# Altium PCB SAMR21_Xplained_Pro.PcbDoc (part 3 of 3)
Units mm, origin at the board's own origin, x right, y up, seen from the top; angles counter-clockwise.
Board outline 60 x 60 mm, 4 copper layers (Top Layer LF-signals, GND, POWER, Bottom Layer LF-signals), stack 1.602 mm thick; 154 components, 128 nets, 621 pads, 397 vias.
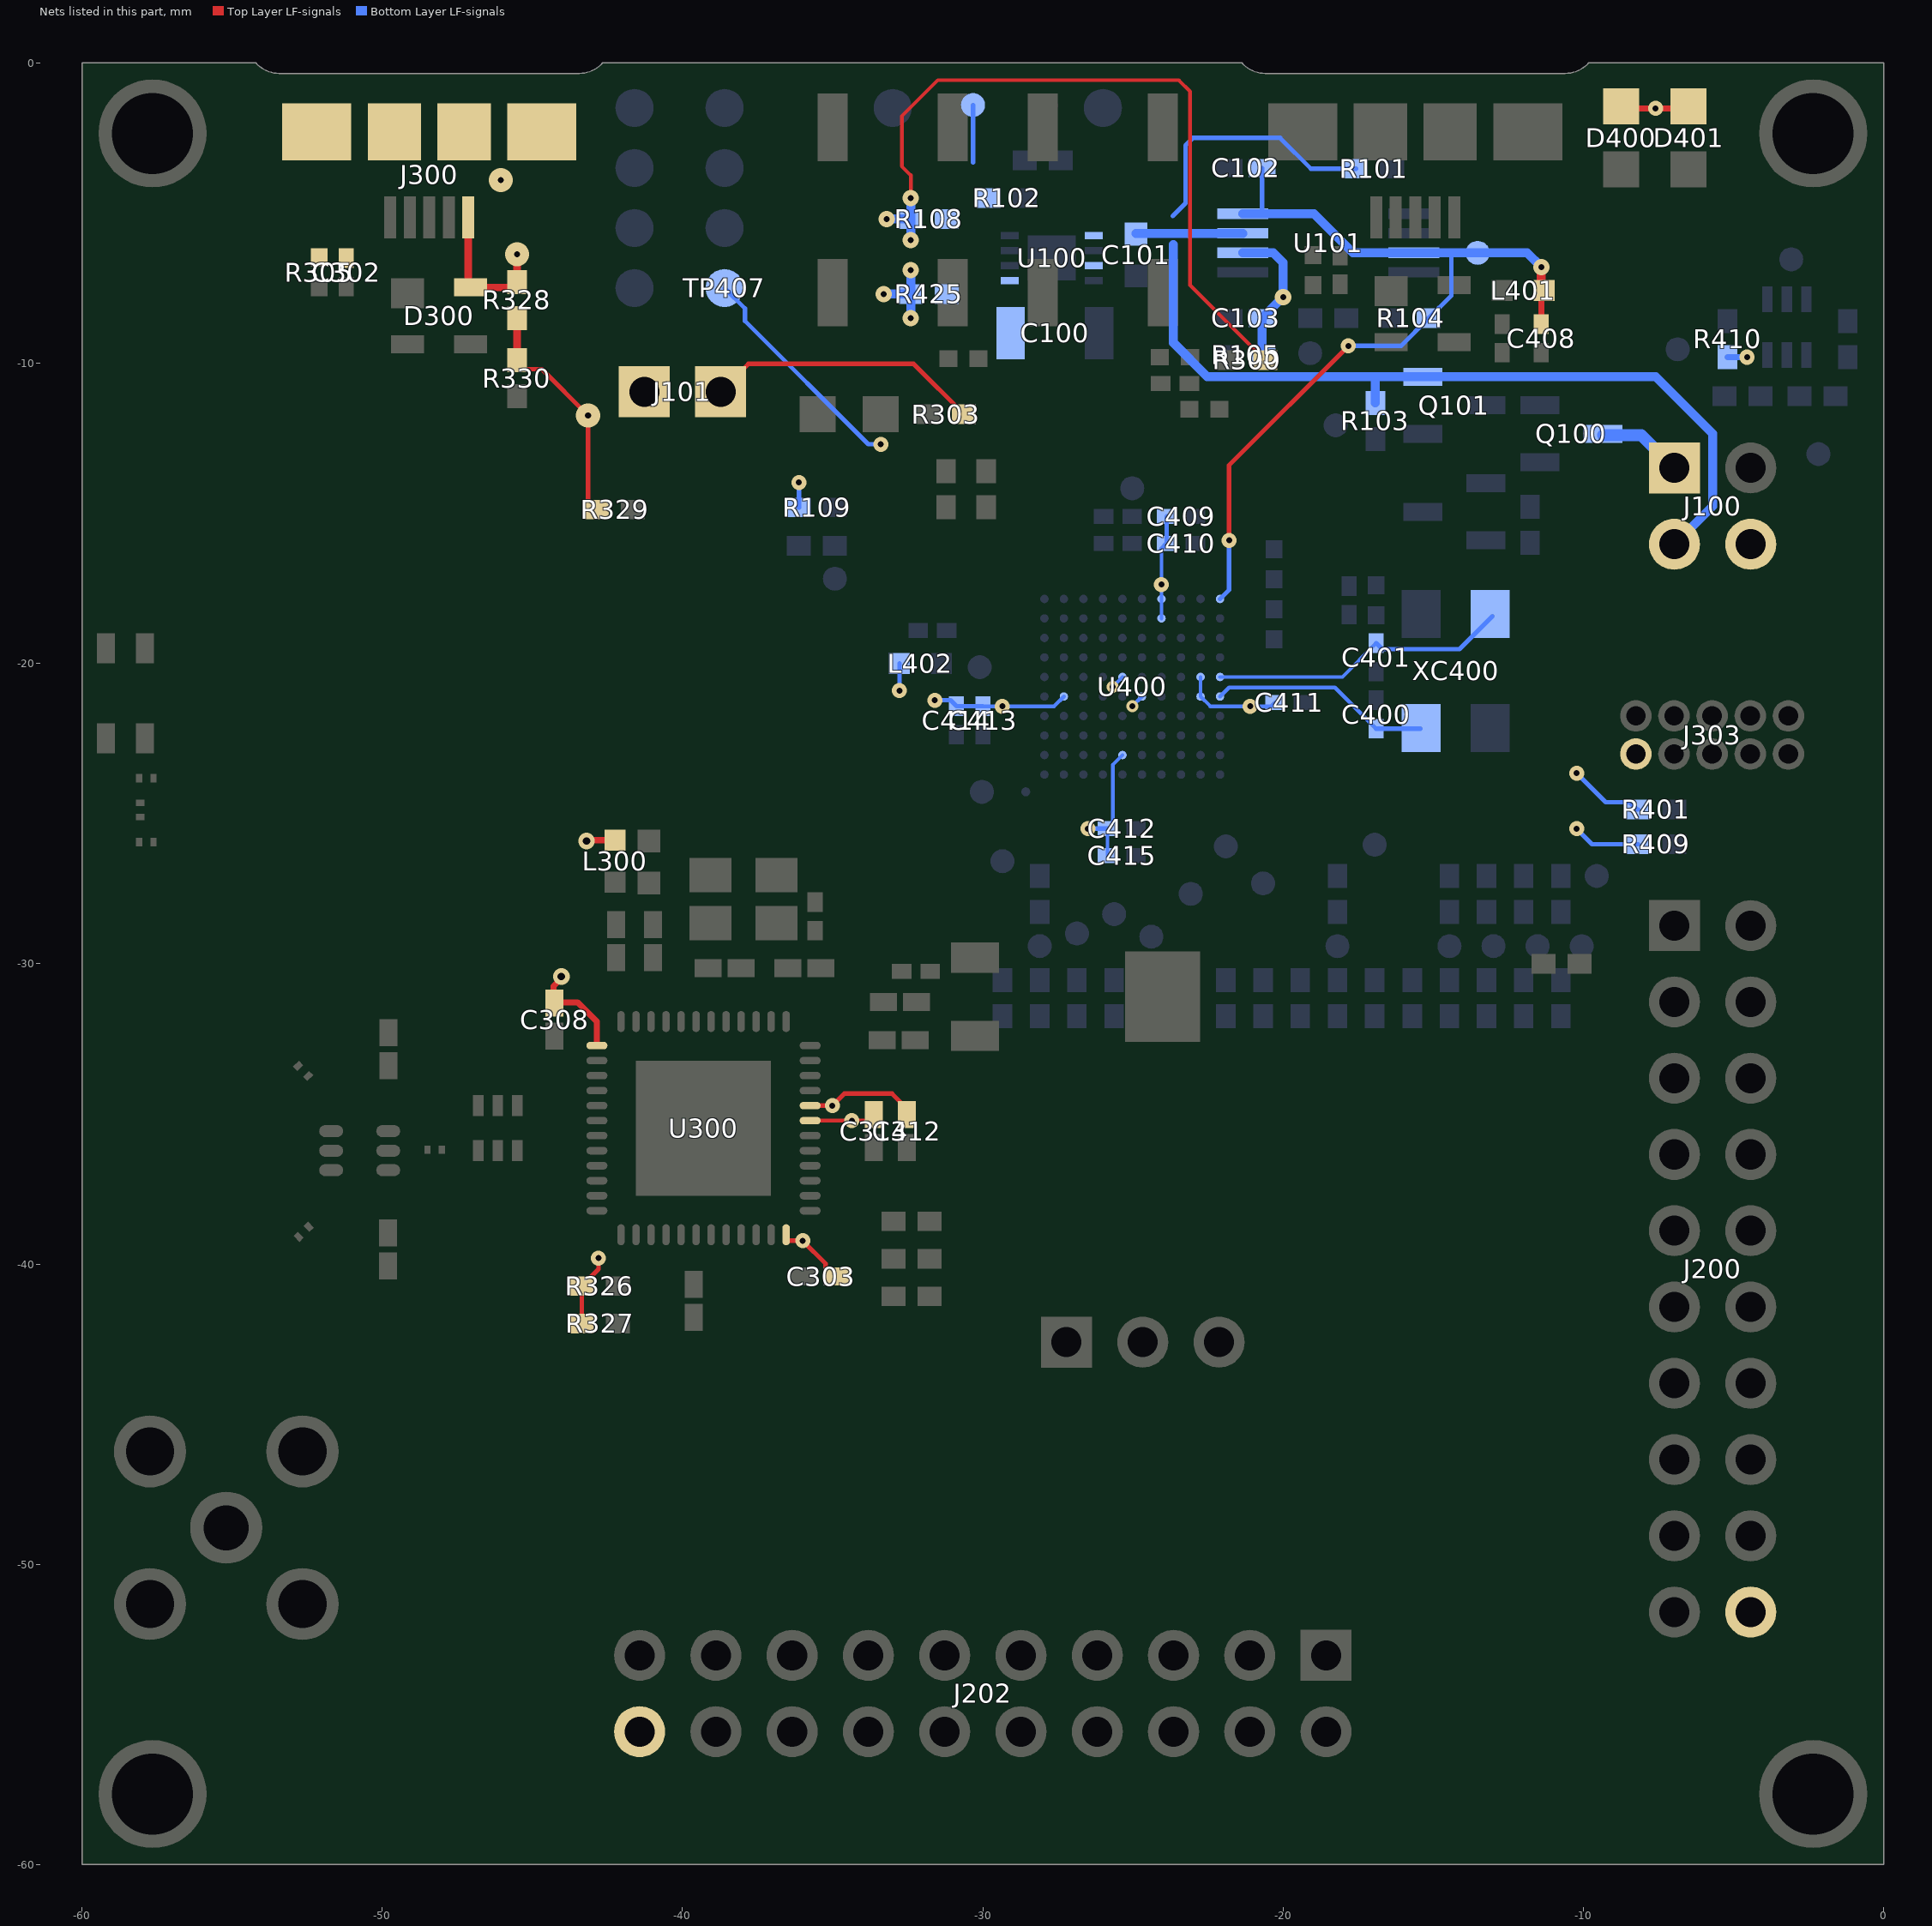
[diagram p5: the nets of this part, all layers, seen from the top]

## Via types
v1: diameter 0.5, hole 0.2, Top Layer LF-signals to Bottom Layer LF-signals, 155 vias
v2: diameter 0.55, hole 0.2, Top Layer LF-signals to Bottom Layer LF-signals, 108 vias
v3: diameter 0.55, hole 0.2, Top Layer LF-signals to Bottom Layer LF-signals, tented both sides, 50 vias
v4: diameter 0.5/0.8 (per signal layer), hole 0.2, Top Layer LF-signals to Bottom Layer LF-signals, tented top, 28 vias
v5: diameter 0.4, hole 0.2, Top Layer LF-signals to Bottom Layer LF-signals, 20 vias
v6: diameter 0.762, hole 0.33, Top Layer LF-signals to Bottom Layer LF-signals, tented top, 9 vias
v7: diameter 0.45, hole 0.2, Top Layer LF-signals to Bottom Layer LF-signals, 9 vias
v8: diameter 0.55, hole 0.2, Top Layer LF-signals to Bottom Layer LF-signals, tented top, 7 vias
v9: diameter 0.5, hole 0.2, Top Layer LF-signals to Bottom Layer LF-signals, tented both sides, 6 vias
v10: diameter 0.55, hole 0.25, Top Layer LF-signals to Bottom Layer LF-signals, tented both sides, 3 vias
v11: diameter 0.5, hole 0.2, Top Layer LF-signals to Bottom Layer LF-signals, tented top, 2 vias

## Nets (pads, with @x,y where several pads share a name; then routed paths per layer and width w, separated by ;. In a path a pad name is that pad's centre, name@x,y a point inside that pad or via, vN(x,y) a via of type N, cw(c..) or ccw(c..) an arc to the next point about the centre after c; other vN are vias at no path point) (continued)
TARGET_USB_SHIELD: C302.2 J300.6 J300.7 J300.8 J300.9 R305.2
  other v4: -46.056,-3.908
TARGET_VUSB_DETECT: R328.1 R329.1 R330.2 | length 7.8
  Top Layer LF-signals w0.15: R330.2@-45.51,-9.9 -45.3,-10.11 -45.3,-10.2 -44.684,-10.2 v4(-43.146,-11.738) -43.146,-14.578 R329.1@-42.85,-14.874
  Top Layer LF-signals w0.25: R330.2@-45.51,-9.9 R328.1@-45.51,-8.495
VCC_EDBG_P3V3: C409.1 C410.1 C411.1 C412.1 C413.1 C414.1 C415.1 D400.2 D401.2 L402.1 R401.2 R409.2 R410.2 R425.1 TP407.1 U400.B5 U400.B6 U400.D9 U400.D10 U400.E5 U400.F2 U400.F6 U400.J5 | length 34.9
  Top Layer LF-signals w0.2: D400.2@-8.756,-1.518 v1(-7.6,-1.518) D401.2@-6.47,-1.518
  Bottom Layer LF-signals w0.125: C413.1@-30,-21.425 -27.625,-21.425 U400.J5@-27.3,-21.1 ; C415.1@-25.85,-26.4 C412.1@-25.85,-25.5 ; C412.1@-25.675,-25.3 -25.675,-23.375 U400.F2@-25.35,-23.05 ; v5(-25.675,-20.775) U400.F6@-25.35,-20.45 ; v5(-25.025,-21.425) U400.E5@-24.7,-21.1 ; U400.D9@-24.05,-18.5 U400.D10@-24.05,-17.85 C410.1@-24.05,-16.175 ; U400.B6@-22.75,-20.45 U400.B5@-22.75,-21.1 -22.425,-21.425 -20.4,-21.425 C411.1@-20.275,-21.3
  Bottom Layer LF-signals w0.15: TP407.1@-38.6,-7.5 -37.921,-8.179 -37.921,-8.593 -33.814,-12.7 v1(-33.4,-12.7) ; v1(-32.775,-20.903) L402.1@-32.775,-20 ; v1(-31.602,-21.225) -31.075,-21.225 C414.1@-30.875,-21.425 C413.1@-30,-21.425 ; v1(-26.5,-25.5) C412.1@-25.85,-25.5 ; C410.1@-24.05,-16.175 C410.1@-23.875,-16 C409.1@-23.875,-15.1 ; v1(-10.227,-25.505) -9.714,-26.017 R409.2@-8.176,-26.017 ; v1(-10.225,-23.65) -9.256,-24.619 -8.459,-24.619 -8.216,-24.862 R401.2@-8.176,-24.862
  Bottom Layer LF-signals w0.2: R410.2@-5.2,-9.8 v1(-4.55,-9.8)
  Bottom Layer LF-signals w0.3: v2(-33.3,-7.7) R425.1@-32.4,-7.7 ; v2(-32.4,-8.5) R425.1@-32.4,-7.7 ; v2(-32.4,-6.9) R425.1@-32.4,-7.7
  other v1: -29.35,-21.425 -21.1,-21.425 -24.05,-17.373
VCC_EDBG_USB_P5V0: C102.1 C408.1 L401.2 pad.0@-13.522,-6.325 R104.2 U101.3 U101.8 U400.A10 | length 29.6
  Top Layer LF-signals w0.15: v1(-21.8,-15.9) -21.8,-13.396 v1(-17.829,-9.425)
  Top Layer LF-signals w0.2: C408.1@-11.4,-8.7 L401.2@-11.4,-7.675
  Top Layer LF-signals w0.3: L401.2@-11.4,-7.475 v2(-11.4,-6.8)
  Bottom Layer LF-signals w0.15: U400.A10@-22.1,-17.85 -21.8,-17.55 v1(-21.8,-15.9) ; U101.8@-20.7,-4.95 C102.1@-20.7,-3.5 ; v1(-17.829,-9.425) -16.075,-9.425 R104.2@-15.15,-8.5 -14.4,-7.75 -14.4,-6.325
  Bottom Layer LF-signals w0.3: U101.8@-21.35,-5.025 -18.975,-5.025 -17.675,-6.325 U101.3@-15.65,-6.325 -14.4,-6.325 -11.875,-6.325 v2(-11.4,-6.8)
VCC_EXT_P5V0: J100.1@-6.97,-13.49 Q100.3 | length 2.8
  Bottom Layer LF-signals w0.4: Q100.3@-9.35,-12.4 -8.068,-12.4 J100.1@-6.978,-13.49
VCC_MCU_P3V3: C303.1 C308.1 C312.1 J101.1 L300.1 R326.1 R327.1 U300.13 U300.36 U300.44 | length 12.9
  Top Layer LF-signals w0.15: R327.1@-43.353,-41.98 -43.353,-40.734 R326.1@-43.357,-40.73 -42.8,-40.173 v1(-42.8,-39.8) v1@-42.825,-39.8 ; U300.36@-36.55,-39.025 -36.55,-39.223 v1@-35.877,-39.223 ; v1(-36,-39.225) -35.236,-39.989 C303.1@-35.236,-40.121 ; U300.44@-35.75,-34.725 v1(-35.014,-34.725) -34.614,-34.325 -33.025,-34.325 C312.1@-32.325,-35.025 ; C303.1@-35.161,-40.362 -35.11,-40.414 C303.1@-34.844,-40.414
  Top Layer LF-signals w0.203: C308.1@-44.26,-31.313 -44.293,-31.28 -44.293,-30.746 v10@-44.007,-30.46 ; C308.1@-44.007,-31.283 -43.492,-31.283 -42.85,-31.925 U300.13@-42.85,-32.725 ; v10(-43.197,-25.912) -43.197,-25.917 -43.169,-25.945 -43.109,-25.885 L300.1@-42.25,-25.885
  other v10: -44.035,-30.428
VCC_P3V3: C100.1 pad.0@-30.325,-1.403 R102.1 R108.1 R425.2 U100.5 | length 1.9
  Bottom Layer LF-signals w0.15: -30.325,-3.313 pad.0@-30.325,-1.403
VCC_P5V0: C101.1 J100.3@-6.97,-16.03 Q101.2 R101.2 R103.2 U100.1 U100.3 U101.7 | length 39.8
  Bottom Layer LF-signals w0.15: -23.675,-5.1 -23.25,-4.675 -23.25,-2.75 -23,-2.5 -20.1,-2.5 -19.075,-3.525 R101.2@-17.575,-3.525
  Bottom Layer LF-signals w0.3: C101.1@-24.9,-5.675 U101.7@-21.35,-5.675 ; -23.65,-6.052 -23.65,-9.325 -22.525,-10.45 -7.6,-10.45 -5.7,-12.35 -5.7,-14.76 J100.3@-6.97,-16.03 ; R103.2@-16.925,-11.325 -16.925,-10.475
VCC_TARGET_P3V3: J100.4@-4.43,-16.03 J101.2 J200.20@-4.43,-51.59 J202.20@-41.43,-55.57 J303.1 R108.2 R109.2 R300.2 R303.2 | length 35.3
  Top Layer LF-signals w0.125: v2(-32.4,-4.5) -32.4,-3.744 -32.7,-3.444 -32.7,-1.775 -31.5,-0.575 -23.475,-0.575 -23.1,-0.95 -23.1,-7.4 R300.2@-20.6,-9.9
  Top Layer LF-signals w0.15: J101.2@-38.73,-10.95 -37.805,-10.025 -32.3,-10.025 R303.2@-30.625,-11.7
  Bottom Layer LF-signals w0.15: R109.2@-36.124,-14.804 v1(-36.124,-13.976)
  Bottom Layer LF-signals w0.3: v2(-33.2,-5.2) R108.2@-32.4,-5.2 ; v2(-32.4,-5.9) R108.2@-32.4,-5.2 ; v2(-32.4,-4.5) R108.2@-32.4,-5.2
VCC_TARGET_USB_P5V0: C103.1 D300.4 J300.1 R105.2 R328.2 U101.6 | length 9.5
  Top Layer LF-signals w0.25: J300.1@-47.134,-5.15 -47.134,-7.403 D300.4@-47.059,-7.478 R328.2@-45.693,-7.478 ; R328.2@-45.51,-7.295 v4(-45.51,-6.375)
  Bottom Layer LF-signals w0.3: U101.6@-21.35,-6.325 -20.325,-6.325 -20,-6.65 v2(-20,-7.8) C103.1@-20.7,-8.5 -20.7,-9.675 R105.2@-20.65,-9.725
VDDCORE: C314.1 U300.43 | length 2.2
  Top Layer LF-signals w0.125: U300.43@-35.75,-35.225 -33.7,-35.225 C314.1@-33.625,-35.3
  other v1: -34.358,-35.225
XIN0: C400.1 U400.A5 XC400.1 | length 7.4
  Bottom Layer LF-signals w0.125: U400.A5@-22.1,-21.1 -21.8,-20.8 -18.275,-20.8 C400.1@-16.9,-22.175
  Bottom Layer LF-signals w0.15: C400.1@-16.9,-22.175 XC400.1@-15.425,-22.175
XOUT0: C401.1 U400.A6 XC400.3 | length 10.1
  Bottom Layer LF-signals w0.125: U400.A6@-22.1,-20.45 -18.025,-20.45 C401.1@-16.9,-19.325
  Bottom Layer LF-signals w0.15: C401.1@-16.9,-19.325 -16.7,-19.525 -14.125,-19.525 XC400.3@-13.025,-18.425
pads on no net: J100.1@-6.97,-13.49 J100.2@-4.43,-13.49 J100.3@-6.97,-16.03 J100.4@-4.43,-16.03 J200.1@-6.97,-28.73 J200.2@-4.43,-28.73 J200.3@-6.97,-31.27 J200.4@-4.43,-31.27 J200.5@-6.97,-33.81 J200.6@-4.43,-33.81 J200.7@-6.97,-36.35 J200.8@-4.43,-36.35 J200.9@-6.97,-38.89 J200.10@-4.43,-38.89 J200.11@-6.97,-41.43 J200.12@-4.43,-41.43 J200.13@-6.97,-43.97 J200.14@-4.43,-43.97 J200.15@-6.97,-46.51 J200.16@-4.43,-46.51 J200.17@-6.97,-49.05 J200.18@-4.43,-49.05 J200.19@-6.97,-51.59 J200.20@-4.43,-51.59 J202.1@-18.57,-53.03 J202.2@-18.57,-55.57 J202.3@-21.11,-53.03 J202.4@-21.11,-55.57 J202.5@-23.65,-53.03 J202.6@-23.65,-55.57 J202.7@-26.19,-53.03 J202.8@-26.19,-55.57 J202.9@-28.73,-53.03 J202.10@-28.73,-55.57 J202.11@-31.27,-53.03 J202.12@-31.27,-55.57 J202.13@-33.81,-53.03 J202.14@-33.81,-55.57 J202.15@-36.35,-53.03 J202.16@-36.35,-55.57 J202.17@-38.89,-53.03 J202.18@-38.89,-55.57 J202.19@-41.43,-53.03 J202.20@-41.43,-55.57 J300.4 J303.6 J303.7 J303.8 J400.4 U100.0 U100.2 U100.4 U100.6 U400.A2 U400.A3 U400.A4 U400.A7 U400.B1 U400.B2 U400.B7 U400.C1 U400.C2 U400.C4 U400.C6 U400.D1 U400.D2 U400.D3 U400.D4 U400.D5 U400.D7 U400.E1 U400.E3 U400.E4 U400.E7 U400.E8 U400.F3 U400.F4 U400.G1 U400.G2 U400.G3 U400.G4 U400.G6 U400.G8 U400.G9 U400.G10 U400.H1 U400.H4 U400.H5 U400.H6 U400.H10 U400.J1 U400.J2 U400.J3 U400.J7 U400.J10 U400.K1 U400.K5 U400.K6 U400.K7 XC400.2 XC400.4

## Polygon pours and split planes (outlines as drawn)
GND on Bottom Layer LF-signals "Bottom Layer GND fill" (solid, remove dead copper, pour order 18): -59.7,-59.7 -59.7,-0.3 -54.259,-0.3 ccw(c-53.483,0.386) -53.483,-0.649 -43.484,-0.649 ccw(c-43.484,0.386) -42.708,-0.3 -21.375,-0.3 ccw(c-20.599,0.386) -20.599,-0.649 -10.6,-0.649 ccw(c-10.6,0.386) -9.824,-0.3 -0.3,-0.3 -0.3,-59.7
GND on Bottom Layer LF-signals "Bottom Layer Regulator GND" (solid, pour order 12): -24.3,-2.3 -28.6,-2.3 -28.6,-9.9 -24.3,-9.9
VCC_P3V3 on Bottom Layer LF-signals "Bottom Layer Regulator VCC out" (solid, pour order 10): -28.3,-2.2 -28.3,-9.2 -31.8,-9.2 -31.8,-2.2 -28.3,-2.2
VCC_P5V0 on Bottom Layer LF-signals "Bottom Layer Regulator VCC in" (solid, remove dead copper, pour order 9): -26.635,-4.9 -23.419,-4.9 -23.419,-7.475 -23.3,-7.582 -23.419,-7.689 -26.754,-7.689 -26.754,-4.9 -26.635,-4.9
GND on Top Layer LF-signals "Top Layer GND fill" (solid, remove dead copper, pour order 19): -59.7,-59.7 -59.7,-0.3 -54.259,-0.3 ccw(c-53.483,0.386) -53.483,-0.649 -43.484,-0.649 ccw(c-43.484,0.386) -42.708,-0.3 -21.375,-0.3 ccw(c-20.599,0.386) -20.599,-0.649 -10.6,-0.649 ccw(c-10.6,0.386) -9.824,-0.3 -0.3,-0.3 -0.3,-59.7
SHIELD on Top Layer LF-signals "Top Layer USB Shield" (solid, pour order 13): -21,-0.3 -10.2,-0.3 -10.2,-4.5 -17.5,-4.5 -17.5,-6.7 -21,-6.7
TARGET_USB_SHIELD on Top Layer LF-signals "SHIELD_TARGETUSB" (solid, pour order 11): -53.834,-0.3 -43.034,-0.3 -43.034,-4.5 -50.334,-4.5 -50.334,-6.7 -53.834,-6.7
no net on Top Overlay "MountingHole_Index" (solid): -4.5,-0.3 -0.3,-0.3 -0.3,-4.5 -4.5,-4.5
GND on GND (split plane): -0.252,-59.748 -59.748,-59.748 -59.748,-23 -53.5,-23 -53.5,-19 -59.748,-19 -59.748,-0.252 -54.314,-0.252 -54.237,-0.321 -54.119,-0.405 -53.992,-0.474 -53.859,-0.53 -53.72,-0.57 -53.578,-0.594 -53.435,-0.602 -53.434,-0.602 -43.434,-0.602 -43.433,-0.602 -43.29,-0.594 -43.148,-0.57 -43.009,-0.53 -42.876,-0.474 -42.749,-0.405 -42.631,-0.321 -42.554,-0.252 -21.48,-0.252 -21.403,-0.321 -21.285,-0.405 -21.158,-0.474 -21.025,-0.53 -20.886,-0.57 -20.744,-0.594 -20.601,-0.602 -20.6,-0.602 -10.6,-0.602 -10.599,-0.602 -10.456,-0.594 -10.314,-0.57 -10.175,-0.53 -10.042,-0.474 -9.915,-0.405 -9.797,-0.321 -9.72,-0.252 -0.252,-0.252
VCC_EDBG_P3V3 on POWER (split plane): -0.252,-14.558 -9.7,-14.558 -9.752,-14.565 -9.801,-14.585 -9.843,-14.617 -9.875,-14.659 -9.895,-14.708 -9.902,-14.76 -9.902,-25.835 -28.863,-25.835 -33.635,-21.063 -33.635,-6.602 -31.8,-6.602 -31.748,-6.595 -31.699,-6.575 -31.657,-6.543 -31.625,-6.501 -31.605,-6.452 -31.598,-6.4 -31.598,-2.382 -21.127,-2.382 -21.127,-8.375 -21.12,-8.427 -21.1,-8.476 -21.068,-8.518 -21.026,-8.55 -20.977,-8.57 -20.925,-8.577 -19.225,-8.577 -19.173,-8.57 -19.124,-8.55 -19.082,-8.518 -19.05,-8.476 -19.03,-8.427 -19.023,-8.375 -19.023,-0.602 -10.6,-0.602 -10.599,-0.602 -10.456,-0.594 -10.314,-0.57 -10.175,-0.53 -10.042,-0.474 -9.915,-0.405 -9.797,-0.321 -9.72,-0.252 -0.252,-0.252
VCC_TARGET_P3V3 on POWER (split plane): -32.002,-6.198 -33.837,-6.198 -33.889,-6.205 -33.938,-6.225 -33.979,-6.257 -34.011,-6.299 -34.032,-6.348 -34.038,-6.4 -34.038,-21.147 -34.032,-21.199 -34.011,-21.248 -33.979,-21.289 -29.09,-26.179 -29.048,-26.211 -28.999,-26.231 -28.947,-26.238 -9.7,-26.238 -9.648,-26.231 -9.599,-26.211 -9.557,-26.179 -9.525,-26.137 -9.505,-26.089 -9.498,-26.037 -9.498,-14.962 -0.252,-14.962 -0.252,-59.748 -44.643,-59.748 -44.643,-42.003 -32.492,-42.003 -32.44,-41.996 -32.391,-41.975 -32.349,-41.943 -32.317,-41.902 -32.297,-41.853 -32.29,-41.801 -32.29,-30.737 -32.297,-30.685 -32.317,-30.637 -32.349,-30.595 -36.713,-26.232 -36.713,-18.428 -36.72,-18.375 -36.74,-18.327 -36.772,-18.285 -39.798,-15.258 -39.798,-9.075 -39.798,-2.382 -32.002,-2.382
VCC_TARGET_USB_P5V0 on POWER (split plane): -21.403,-0.321 -21.285,-0.405 -21.158,-0.474 -21.025,-0.53 -20.886,-0.57 -20.744,-0.594 -20.601,-0.602 -20.6,-0.602 -19.427,-0.602 -19.427,-8.173 -20.723,-8.173 -20.723,-2.18 -20.73,-2.128 -20.75,-2.079 -20.782,-2.038 -20.824,-2.005 -20.873,-1.985 -20.925,-1.978 -39.988,-1.978 -40,-1.977 -40.052,-1.984 -40.101,-2.004 -40.143,-2.036 -40.175,-2.078 -40.195,-2.126 -40.202,-2.179 -40.202,-8.873 -43.75,-8.873 -43.802,-8.88 -43.851,-8.9 -43.893,-8.932 -43.925,-8.974 -43.945,-9.023 -43.952,-9.075 -43.952,-16.283 -59.748,-16.283 -59.748,-0.252 -54.314,-0.252 -54.237,-0.321 -54.119,-0.405 -53.992,-0.474 -53.859,-0.53 -53.72,-0.57 -53.578,-0.594 -53.435,-0.602 -53.434,-0.602 -43.434,-0.602 -43.433,-0.602 -43.29,-0.594 -43.148,-0.57 -43.009,-0.53 -42.876,-0.474 -42.749,-0.405 -42.631,-0.321 -42.554,-0.252 -21.48,-0.252
VCC_MCU_P3V3 on POWER (split plane): -40.202,-15.342 -40.195,-15.394 -40.175,-15.443 -40.143,-15.485 -37.116,-18.511 -37.116,-26.315 -37.109,-26.367 -37.089,-26.416 -37.057,-26.458 -32.694,-30.821 -32.694,-41.599 -44.643,-41.599 -44.643,-39.939 -44.643,-31.95 -44.643,-16.687 -43.758,-16.687 -43.752,-16.686 -43.75,-16.686 -43.698,-16.68 -43.649,-16.659 -43.607,-16.627 -43.575,-16.586 -43.555,-16.537 -43.548,-16.485 -43.548,-9.277 -40.202,-9.277

## Keep-outs
Keep-Out Layer:
  lines w0.1: -54.259,-0.3 ccw(c-53.483,0.386) -53.483,-0.649 -43.484,-0.649 ; -59.7,-59.7 -0.3,-59.7 -0.3,-0.3 -9.825,-0.3 cw(c-10.6,0.386) -10.6,-0.649 -20.599,-0.649 cw(c-20.599,0.386) -21.375,-0.3 -42.658,-0.3 cw(c-43.434,0.386) -43.434,-0.649 -53.433,-0.649 cw(c-53.433,0.386) -54.209,-0.3 -59.7,-0.3 -59.7,-59.7

## Other copper
Top Layer LF-signals:
  region net GND: -50.525,-37.802 -50.525,-34.843 -50.975,-34.843 -50.975,-37.802
  rectangle net GND: -52.8,-36.45 -50.775,-36
  rectangle net GND: -47.525,-34.25 -45.875,-33.7
  rectangle net GND: -59.5,-23.232 -58.899,-22.661
  rectangle net GND: -59.538,-23.125 -58.775,-23
  rectangle net GND: -59.501,-19.471 -58.901,-18.801
  rectangle net GND: -58.198,-19.435 -57.6,-18.719
  rectangle net GND: -59.538,-19 -57.152,-18.803
  region net GND: -45.975,-37.2 -45.975,-34 -46.325,-34 -46.325,-37.2
  pour cut-out: -42.775,-32 -35.825,-32 -35.825,-38.95 -42.775,-38.95
  region net NetC604_1: -51.4,-35.4 -51.6,-35.2 -51.6,-35.4
  region net NetC604_1: -52.025,-35.425 -51.8,-35.2 -51.8,-35.425
  region net ANT_OUT: -46.975,-35.875 -47.225,-36.125 -47.225,-36.325 -46.975,-36.575 -46.95,-36.575 -46.95,-35.875
  region net NetA600_1: -57.918,-24.538 -58.003,-24.454 -58.003,-24.475 -58.003,-24.548 -58.005,-24.55 -57.919,-24.55
  region net ANTENNA_1: -57.918,-25.218 -57.999,-25.3 -57.999,-25.283 -57.999,-25.211 -57.919,-25.211 -57.919,-25.215
  region net NetC603_1: -51.965,-37.064 -51.805,-37.224 -51.597,-37.224 -51.414,-37.041 -51.414,-37.035 -51.996,-37.035 -51.998,-37.037
  region net ANTENNA_1: -52.775,-33.237 -52.838,-33.301 -52.855,-33.301 -52.879,-33.231 -52.774,-33.229
  region net NetC604_1: -52.349,-33.765 -52.341,-33.757 -52.293,-33.709 -52.295,-33.823
  region net NetC603_1: -52.279,-38.787 -52.335,-38.73 -52.278,-38.67 -52.278,-38.786
  region net ANTENNA_2: -52.865,-39.264 -52.813,-39.212 -52.759,-39.267 -52.866,-39.265
  region net NetC602_2: -48.593,-36.052 -48.669,-36.129 -48.656,-36.138 -48.583,-36.138 -48.581,-36.14 -48.581,-36.052
  region net ANT_OUT: -47.838,-36.129 -47.913,-36.052 -47.934,-36.052 -47.934,-36.125 -47.936,-36.127 -47.85,-36.127
  pour cut-out: -36.112,-29.266 -39.837,-29.266 -39.837,-25.725 -36.112,-25.725
Bottom Layer LF-signals:
  pour cut-out: -59.95,-19 -53.5,-19 -53.5,-23 -59.95,-23
GND (plane layer: these items are gaps in the copper):
  pour cut-out: -59.95,-19 -53.5,-19 -53.5,-23 -59.95,-23
POWER (plane layer: these items are gaps in the copper):
  pour cut-out: -60.007,-16.485 -44.925,-16.485 -44.925,-59.984 -59.984,-59.984 -60,-60
  pour cut-out: -59.95,-19 -53.5,-19 -53.5,-23 -59.95,-23
  lines w0.4: -60.007,-16.485 -47.883,-16.485 -43.758,-16.485 ; -45.553,-16.493 -44.867,-16.493 -44.844,-16.516 -44.844,-31.95 -44.844,-39.939 -44.844,-59.984 -43.75,-59.984 ; -44.867,-41.801 -32.492,-41.801 -32.492,-30.737 -36.914,-26.315 -36.914,-18.428 -40,-15.342 -40,-9.075 ; -43.75,-16.485 -43.75,-9.075 -40,-9.075 ; -40,-2.18 -20.925,-2.18 -20.925,-8.375 -19.225,-8.375 -19.225,-0.375 ; -40,-2.179 -40,-9.075 ; -31.8,-2.18 -31.8,-6.4 -33.837,-6.4 -33.837,-21.147 -28.947,-26.037 -9.7,-26.037 -9.7,-14.76 0,-14.76

## Silkscreen, mask and mechanical layers (free items; w line width, h text height)
Top Overlay:
  pour cut-out: -4.25,-2.35 ccw(c-2.35,-2.35) -2.35,-4.25 ccw(c-2.35,-2.35) -0.45,-2.35 ccw(c-2.35,-2.35) -2.35,-0.45 ccw(c-2.35,-2.35)
  lines w0.1: -59.675,-23.175 -58.35,-23.175 ; -59.425,-52.95 -59.425,-44.6 -55.763,-44.6 ; -59.375,-52.95 -50.965,-52.95 -50.965,-44.6 -54.627,-44.6 ; -57.835,-23.175 -57.425,-23.175 ; -57.719,-24.159 -57.309,-24.159 ; -57.719,-23.469 -57.309,-23.469 ; -57.717,-26.287 -57.307,-26.287 ; -57.717,-25.597 -57.307,-25.597 ; -56.465,-45.732 -55.763,-45.732 ; -52.604,-38.025 -52.75,-38.025 -52.75,-34.45 -52.604,-34.45 ; -51.151,-38.025 -48.85,-38.025 -48.85,-36.795 ; -51.151,-34.45 -48.85,-34.45 -48.85,-35.601 ; -47.6,-36.794 -47.6,-36.95 -44.975,-36.95 -44.975,-36.259 ; -47.6,-35.599 -47.6,-33.975 -44.975,-33.975 -44.975,-34.691
  text "GND" at -3.829,-6.006 h1.52
  text "EDBG USB" at -21.25,-7.5 h1.5 r90
  text "VCC_TARGET" at -38.225,-7.65 h1 r90
  text "VCC_MCU" at -40.85,-7.675 h1 r90
  text "TARGET USB" at -54.35,-9.2 h1.5 r90
  text "POWER" at -8.25,-10 h1.5 r90
  text "STATUS" at -6,-10.25 h1.5 r90
  text "SW0" at -36.2,-10.5 h1.5
  text "RESET" at -29.2,-10.5 h1.5
  text "PWR" at -7.126,-11.943 h1.5
  text "5V0_IN" at -16.792,-13.96 h1.5
  text "GND" at -11.8,-13.96 h1.5
  text "LED0" at -36.327,-13.976 h1.5
  text "LED0 / SW0" at -29.022,-14.071 h1.5
  text "DISCONNECT" at -29.022,-15.311 h1.5
  text "5V0" at -16.784,-16.5 h1.5
  text "3V3" at -11.792,-16.5 h1.5
  text "USB VBUS" at -45.559,-16.702 h1.5
  text "ANTENNA 1" at -59.352,-17.978 h1.3
  text "DISCONNECT" at -46.604,-18.119 h1.5
  text "B" at -35.333,-18.5 h7
  text "SAMR21" at -8.24,-18.872 h1.5
  text "CORTEX DEBUG" at -10.875,-19.988 h1.5
  text "SAMR21" at -41.339,-22.221 h2
  text "X" at -32.962,-22.246 h4
  text "PLAINED" at -29.537,-22.246 h2
  text "PRO" at -20.487,-22.23 h1
  text "16MHz Crystal" at -39.857,-25.857 h1.5
  text "EXT1" at -7.147,-25.85 h1.5
  text "1" at -7.197,-27.309 h1.5
  text "2" at -4.761,-27.314 h1.5
  text "32.768 kHz Crystal" at -31.332,-28.695 h1.5
  text "ID" at -15.765,-29.194 h1.5
  text "GND" at -11.798,-29.194 h1.5
  text "PA06" at -15.765,-31.734 h1.5
  text "PA07" at -11.798,-31.734 h1.5
  text "BALUN" at -48.786,-33.421 h1.3
  text "PA13" at -15.765,-34.274 h1.5
  text "PA28" at -11.798,-34.274 h1.5
  text "PA18" at -15.765,-36.814 h1.5
  text "PA19" at -11.798,-36.814 h1.5
  text "ANALOG" at -54.478,-38.638 h1.3 r90
  text "SWITCH" at -53.403,-38.638 h1.3 r90
  text "PA22" at -15.765,-39.354 h1.5
  text "PA23" at -11.798,-39.354 h1.5
  text "PA09" at -26.751,-39.54 h1.5 r90
  text "PA12" at -24.211,-39.54 h1.5 r90
  text "PA27" at -21.671,-39.54 h1.5 r90
  text "ALTERNATE" at -28.589,-40.73 h1.5
  text "PA16" at -15.765,-41.894 h1.5
  text "PA17" at -11.798,-41.894 h1.5
  text "SAMR21G18A" at -38.725,-42.838 h1.5
  text "PA05" at -15.765,-44.434 h1.5
  text "PA04" at -11.798,-44.434 h1.5
  text "PB03" at -15.765,-46.969 h1.5
  text "PB22" at -11.798,-46.969 h1.5
  text "GND" at -40.966,-47.603 h1.5 r90
  text "PB02" at -38.431,-47.603 h1.5 r90
  text "PA14" at -35.891,-47.603 h1.5 r90
  text "NC" at -33.351,-47.603 h1.5 r90
  text "PA16" at -30.811,-47.603 h1.5 r90
  text "NC" at -28.266,-47.603 h1.5 r90
  text "NC" at -25.731,-47.603 h1.5 r90
  text "PA15" at -23.186,-47.603 h1.5 r90
  text "NC" at -20.646,-47.603 h1.5 r90
  text "ID" at -18.106,-47.603 h1.5 r90
  text "PB02" at -15.765,-49.509 h1.5
  text "PB23" at -11.798,-49.509 h1.5
  text "VCC" at -40.966,-51.57 h1.5 r90
  text "PB23" at -38.431,-51.57 h1.5 r90
  text "PB22" at -35.891,-51.57 h1.5 r90
  text "NC" at -33.351,-51.57 h1.5 r90
  text "PA17" at -30.808,-51.57 h1.5 r90
  text "PA08" at -28.266,-51.57 h1.5 r90
  text "NC" at -25.731,-51.57 h1.5 r90
  text "NC" at -23.186,-51.57 h1.5 r90
  text "NC" at -20.646,-51.57 h1.5 r90
  text "GND" at -18.106,-51.57 h1.5 r90
  text "GND" at -15.765,-52.054 h1.5
  text "VCC" at -11.798,-52.054 h1.5
  text "1" at -16.207,-53.267 h1.5 r90
  text "19" at -42.846,-53.734 h1.5 r90
  text "19" at -7.665,-53.948 h1.5
  text "20" at -5.14,-53.953 h1.5
  text "ANTENNA 2" at -58.507,-54.253 h1.3
  text "EXT3" at -44.316,-55.739 h1.5 r90
  text "2" at -16.212,-55.894 h1.5 r90
  text "20" at -42.851,-56.273 h1.5 r90
Bottom Overlay:
  text "GND" at -42.6,-2 h1.5
  text "BOOT" at -33.94,-2 h1.5
  text "TCK" at -42.6,-4 h1.5
  text "RST" at -35.127,-4 h1.5
  text "TDI" at -42.6,-6 h1.5
  text "TDO" at -34.9,-6 h1.5
  text "p" at -56.2,-7.7 h4
  text "TMS" at -42.6,-8 h1.5
  text "VCC" at -34.921,-8 h1.5
  text "t" at -56.4,-11.2 h4
  text "c" at -51.1,-12.317 h4
  text "2" at -0.92,-13.96 h1.5
  text "4" at -0.879,-16.5 h1.5
  text "2" at -1.42,-29.2 h1.5
  text "4" at -1.379,-31.74 h1.5
  text "XPLAINED PRO" at -11.096,-33.407 h0.67
  text "6" at -1.413,-34.28 h1.5
  text "EXTENSION HEADER" at -9.753,-34.557 h0.67
  text "ID" at -15.021,-36.4 h1.3
  text "GND" at -8.896,-36.4 h1.3
  text "8" at -1.415,-36.82 h1.5
  text "ADC+" at -15.021,-38.025 h1.3
  text "ADC-" at -8.896,-38.025 h1.3
  text "10" at -1.044,-39.36 h1.5
  text "GPIO0" at -15.021,-39.65 h1.3
  text "GPIO1" at -8.896,-39.65 h1.3
  text "A08-1903 Rev 2" at -58.35,-40.456 h2 r270
  text "PWM+" at -15.021,-41.275 h1.3
  text "PWM-" at -8.896,-41.275 h1.3
  text "Atmel Corp © 2013" at -52.351,-41.899 h2 r270
  text "12" at -1.039,-41.9 h1.5
  text "IRQ" at -15.021,-42.9 h1.3
  text "SPI_SS_B" at -8.896,-42.9 h1.3
  text "14" at -1.026,-44.44 h1.5
  text "TWI_SDA" at -15.021,-44.525 h1.3
  text "TWI_SCL" at -8.896,-44.525 h1.3
  text "UART_RX" at -15.021,-46.15 h1.3
  text "UART_TX" at -8.896,-46.15 h1.3
  text "16" at -1.038,-46.98 h1.5
  text "SPI_SS_A" at -15.021,-47.775 h1.3
  text "SPI_MOSI" at -8.896,-47.775 h1.3
  text "SPI_MISO" at -15.021,-49.4 h1.3
  text "SPI_SCK" at -8.896,-49.4 h1.3
  text "18" at -1.042,-49.52 h1.5
  text "GND" at -15.021,-51.025 h1.3
  text "VCC" at -8.896,-51.025 h1.3
  text "20" at -1.04,-52.06 h1.5
  text "8" at -26.66,-58.585 h1.5 r270
  text "6" at -24.12,-58.587 h1.5 r270
  text "2" at -19.04,-58.58 h1.5 r270
  text "4" at -21.58,-58.621 h1.5 r270
  text "10" at -29.2,-58.956 h1.5 r270
  text "20" at -41.9,-58.96 h1.5 r270
  text "18" at -39.36,-58.958 h1.5 r270
  text "16" at -36.82,-58.962 h1.5 r270
  text "14" at -34.28,-58.974 h1.5 r270
  text "12" at -31.74,-58.961 h1.5 r270
Mechanical 1:
  lines w0.1: -54.259,-0.001 ccw(c-53.484,0.686) -53.484,-0.35 -43.484,-0.35 ; -19.1,-0.353 -12.082,-0.353 ; -60,-60 0,-60 0,0 -9.825,0 cw(c-10.6,0.686) -10.6,-0.35 -20.6,-0.35 cw(c-20.6,0.686) -21.375,-0.001 -42.659,0 cw(c-43.434,0.686) -43.434,-0.35 -53.434,-0.35 cw(c-53.434,0.686) -54.209,-0.001 -60,0 -60,-60
Mechanical 3:
  lines w0.2: -44.187,-9.984 -43.088,-8.886 ; -43.454,-8.886 -43.088,-8.886 ; -43.088,-9.251 -43.088,-8.886
Mechanical 4:
  circle w0.2: c-57.65,-2.35 r1.35
  circle w0.2: c-2.35,-2.35 r1.35
  circle w0.254: c-4.455,-16.03 r0.5
  circle w0.254: c-6.995,-16.03 r0.5
  circle w0.254: c-6.995,-13.49 r0.5
  circle w0.254: c-4.455,-13.49 r0.5
  circle w0.254: c-6.995,-51.59 r0.5
  circle w0.254: c-4.455,-51.59 r0.5
  circle w0.254: c-4.455,-49.05 r0.5
  circle w0.254: c-6.995,-49.05 r0.5
  circle w0.254: c-6.995,-46.51 r0.5
  circle w0.254: c-4.455,-46.51 r0.5
  circle w0.254: c-4.455,-43.97 r0.5
  circle w0.254: c-6.995,-43.97 r0.5
  circle w0.254: c-4.455,-41.43 r0.5
  circle w0.254: c-6.995,-41.43 r0.5
  circle w0.254: c-6.995,-38.89 r0.5
  circle w0.254: c-4.455,-38.89 r0.5
  circle w0.254: c-4.455,-36.35 r0.5
  circle w0.254: c-6.995,-36.35 r0.5
  circle w0.254: c-4.455,-33.81 r0.5
  circle w0.254: c-6.995,-33.81 r0.5
  circle w0.254: c-4.455,-31.27 r0.5
  circle w0.254: c-6.995,-31.27 r0.5
  circle w0.254: c-4.455,-28.73 r0.5
  circle w0.254: c-6.995,-28.73 r0.5
  circle w0.2: c-2.35,-57.65 r1.35
  circle w0.2: c-57.65,-57.65 r1.35
  circle w0.254: c-41.43,-53.03 r0.5
  circle w0.254: c-41.43,-55.57 r0.5
  circle w0.254: c-38.89,-55.57 r0.5
  circle w0.254: c-38.89,-53.03 r0.5
  circle w0.254: c-36.35,-53.03 r0.5
  circle w0.254: c-36.35,-55.57 r0.5
  circle w0.254: c-33.81,-55.57 r0.5
  circle w0.254: c-33.81,-53.03 r0.5
  circle w0.254: c-31.27,-55.57 r0.5
  circle w0.254: c-31.27,-53.03 r0.5
  circle w0.254: c-28.73,-53.03 r0.5
  circle w0.254: c-28.73,-55.57 r0.5
  circle w0.254: c-26.19,-55.57 r0.5
  circle w0.254: c-26.19,-53.03 r0.5
  circle w0.254: c-23.65,-55.57 r0.5
  circle w0.254: c-23.65,-53.03 r0.5
  circle w0.254: c-21.11,-55.57 r0.5
  circle w0.254: c-21.11,-53.03 r0.5
  circle w0.254: c-18.57,-55.57 r0.5
  circle w0.254: c-18.57,-53.03 r0.5
  rectangle: -17.116,-5.85 -16.691,-4.45
  rectangle: -16.466,-5.85 -16.041,-4.45
  rectangle: -15.816,-5.85 -15.391,-4.45
  rectangle: -15.166,-5.85 -14.741,-4.45
  rectangle: -14.516,-5.85 -14.091,-4.45
  rectangle: -20.491,-3.25 -18.191,-1.35
  rectangle: -17.641,-3.25 -15.866,-1.35
  region: -13.559,-1.35 -15.334,-1.35 -15.334,-3.25 -13.559,-3.25
  region: -10.709,-1.35 -13.009,-1.35 -13.009,-3.25 -10.709,-3.25
  region: -43.543,-1.35 -45.843,-1.35 -45.843,-3.25 -43.543,-3.25
  region: -46.393,-1.35 -48.168,-1.35 -48.168,-3.25 -46.393,-3.25
  rectangle: -50.475,-3.25 -48.7,-1.35
  rectangle: -53.325,-3.25 -51.025,-1.35
  rectangle: -47.35,-5.85 -46.925,-4.45
  rectangle: -48,-5.85 -47.575,-4.45
  rectangle: -48.65,-5.85 -48.225,-4.45
  rectangle: -49.3,-5.85 -48.875,-4.45
  rectangle: -49.95,-5.85 -49.525,-4.45
  lines w0.1: -30.5,-54.3 -29.5,-54.3 ; -30,-54.792 -30,-53.792 ; -6.233,-40.16 -5.233,-40.16 ; -6.233,-14.76 -5.233,-14.76 ; -5.725,-40.66 -5.725,-39.66 ; -5.725,-15.26 -5.725,-14.26
  text "SAMR21 Xplained Pro Connector Placement" at -74.38,6.575 h5
  text "TARGET USB" at -53.25,-7.575 h1
  text "DEBUG USB" at -19.95,-7.575 h1
  text "1" at -7.162,-12.05 h1
  text "2" at -4.788,-12.05 h1
  text "Power Header" at -22.619,-15.26 h1
  text "1" at -7.162,-27.29 h1
  text "2" at -4.788,-27.29 h1
  text "Extension Header 1" at -28.117,-40.66 h1
  text "Extension Header 3" at -38.664,-51.138 h1
  text "1" at -15.78,-53.197 h1 r90
  text "2" at -15.78,-55.903 h1 r90
Mechanical 6:
  circle w0.254: c-57.65,-57.65 r1.35
  circle w0.254: c-2.35,-57.65 r1.35
  circle w0.254: c-2.35,-2.35 r1.35
  circle w0.254: c-57.65,-2.35 r1.35
  text "SAMR21 Xplained Pro Mechanical Dimensions" at -76.43,11.05 h5
Mechanical 12:
  circle w0.5: c-26,-1.5 r0.25
  circle w0.5: c-33,-1.5 r0.25
  circle w0.5: c-38.6,-7.5 r0.25
  circle w0.5: c-38.6,-5.5 r0.25
  circle w0.5: c-38.6,-3.5 r0.25
  circle w0.5: c-38.6,-1.5 r0.25
  circle w0.5: c-41.6,-7.5 r0.25
  circle w0.5: c-41.6,-5.5 r0.25
  circle w0.5: c-41.6,-3.5 r0.25
  circle w0.5: c-41.6,-1.5 r0.25
  circle w0.2: c-2.35,-2.35 r1.35
  circle w0.2: c-57.65,-2.35 r1.35
  circle w0.2: c-57.65,-57.65 r1.35
  circle w0.2: c-2.35,-57.65 r1.35
  lines w0.3: -48.15,-22.225 -41.65,-22.225 -41.65,-8.425 ; -48.15,-20.075 -43.6,-20.075 -43.6,-5.525 ; -48.15,-17.8 -44.625,-17.8 -44.625,-3.475 -42.325,-3.475 ; -48.15,-15.725 -45.525,-15.725 -45.525,-1.5 -42.325,-1.5 ; -43.054,-6.2 -42.354,-5.5 -43.054,-4.8 ; -43.025,-4.175 -42.325,-3.475 ; -43.025,-2.775 -42.325,-3.475 ; -43.025,-2.2 -42.325,-1.5 ; -43.025,-0.8 -42.325,-1.5 ; -42.35,-9.125 -41.65,-8.425 ; -42.3,-9.225 -41.6,-8.525 -40.9,-9.225 ; -40.95,-9.125 -41.65,-8.425 ; -39.3,-9.225 -38.6,-8.525 -37.9,-9.225 ; -39.25,-9.125 -38.55,-8.425 ; -37.85,-9.125 -38.55,-8.425 ; -37.175,-6.125 -37.875,-5.425 ; -37.175,-4.725 -37.875,-5.425 ; -37.175,-4.175 -37.875,-3.475 ; -37.175,-2.775 -37.875,-3.475 ; -37.175,-2.2 -37.875,-1.5 ; -37.175,-0.8 -37.875,-1.5 ; -33.675,-3.25 -32.975,-2.55 ; -32.975,-7.125 -32.975,-2.55 ; -32.275,-3.25 -32.975,-2.55 ; -32.05,-22.225 -38.55,-22.225 -38.55,-8.425 ; -32.05,-20.075 -36.6,-20.075 -36.6,-5.425 -37.875,-5.425 ; -32.05,-17.8 -35.575,-17.8 -35.575,-3.475 -37.875,-3.475 ; -32.05,-15.725 -34.675,-15.725 -34.675,-1.5 -37.875,-1.5 ; -26.7,-3.2 -26,-2.5 ; -26,-4.5 -26,-2.5 ; -25.3,-3.2 -26,-2.5
  text "Small MCU Test Points Placement" at -64.183,13.425 h5
  text "TP_TARGET_RESET" at -26.425,-6.075 h1
  text "TP_TARGET_BOOT" at -33.45,-8.7 h1
  text "TP_GND" at -54.427,-16.175 h1
  text "TP_EDBG_BOOT" at -31.25,-16.175 h1
  text "TP_EDBG_TCK" at -59.377,-18.383 h1
  text "TP_EDBG_RESET" at -31.25,-18.383 h1
  text "TP_EDBG_TDI" at -59.044,-20.592 h1
  text "TP_EDBG_TDO" at -31.25,-20.592 h1
  text "TP_EDBG_TMS" at -59.377,-22.8 h1
  text "TP_VCC_EDBG_P3V3" at -31.25,-22.8 h1
  text "TEST POINTS ON BOTTOM LAYER" at -52.725,-27.9 h1
Mechanical 16:
  lines w0.127: -219,-126.915 -213.92,-126.915 ; -219,-56.255 -213.92,-56.255 ; -219,14.23 -213.92,14.23 ; -169.724,-197.4 -169.724,-192.32 ; -169.724,79.46 -169.724,84.54 ; -125.7,79.46 -125.7,84.54 ; -120.575,-197.4 -120.575,-192.32 ; -76.525,79.46 -76.525,84.54 ; -71.426,-197.4 -71.426,-192.32 ; -22.15,-197.4 -22.15,-192.32 ; -22.15,79.46 -22.15,84.54 ; 26.999,-197.4 26.999,-192.32 ; 26.999,79.46 26.999,84.54 ; 55.32,-184.7 169.62,-184.7 ; 55.32,-177.08 169.62,-177.08 ; 55.32,-169.46 93.42,-169.46 ; 76.148,-197.4 76.148,-192.32 ; 76.148,79.46 76.148,84.54 ; 93.42,-192.32 93.42,-177.08 93.42,-161.84 ; 125.424,-197.4 125.424,-192.32 ; 125.424,79.46 125.424,84.54 ; 146.76,-192.32 146.76,-177.08 ; 169.62,-126.915 174.7,-126.915 ; 169.62,-56.3 174.7,-56.3 ; 169.62,14.185 174.7,14.185 ; 55.32,-192.32 55.32,-161.84 ; 55.32,-192.32 169.62,-192.32 ; 55.32,-192.32 19.76,-192.32 19.76,-161.84 55.32,-161.84 ; 55.32,-161.84 93.42,-161.84 ; 93.42,-161.84 169.62,-161.84 169.62,-192.32 ; 169.62,-192.32 169.62,79.46 -213.92,79.46 -213.92,-192.32 169.62,-192.32 ; -219,-197.4 174.7,-197.4 174.7,84.54 -219,84.54 -219,-197.4
  text "1" at -194.963,81.111 h0.67
  text "4" at -47.372,81.111 h0.67
  text "5" at 1.904,81.111 h0.67
  text "6" at 50.926,81.111 h0.67
  text "7" at 100.456,81.111 h0.67
  text "8" at 149.478,81.111 h0.67
  text "2" at -148.474,80.975 h0.67
  text "3" at -101.924,80.825 h0.67
  text "A" at -217.095,47.301 h0.67
  text "A" at 171.525,47.256 h0.67
  text "B" at 171.605,-20.799 h0.67
  text "B" at -217.095,-23.311 h0.67
  text "C" at 172.25,-90.25 h0.67
  text "C" at -217.188,-91.488 h0.67
  text "D" at -217.095,-164.202 h0.67
  text "D" at 171.525,-164.202 h0.67
  text "ENGINEER:" at 56.59,-164.38 h0.67
  text "TITLE:" at 94.69,-164.38 h0.67
  text "PCB DESIGNER:" at 56.59,-171.873 h0.67
  text "B" at 20.75,-177 h22
  text "DATE:" at 56.59,-179.62 h0.67
  text "PART NO.:" at 94.69,-179.62 h0.67
  text "REV:" at 148.03,-179.62 h0.67
  text ".PRINT_DATE" at 56.7,-183.5 h0.67
  text "ATMEL NORWAY" at 24,-184.4 h0.67
  text "Vestre Rosten 79" at 23.97,-186.478 h0.67
  text "FILE NAME:" at 56.59,-187.24 h0.67
  text "DWG NO:" at 94.69,-187.24 h0.67
  text "SCALE:" at 148.03,-187.24 h0.67
  text "N-7075 Tiller" at 23.97,-189.78 h0.67
  text ".PCB_FILE_NAME_NO_PATH" at 57.86,-190.288 h0.67
  text "3" at -95.81,-195.688 h0.67
  text "4" at -46.788,-195.688 h0.67
  text "5" at 1.904,-195.688 h0.67
  text "6" at 50.926,-195.688 h0.67
  text "7" at 100.456,-195.688 h0.67
  text "8" at 149.478,-195.688 h0.67

## Dimensions
0,0 to -15.6,-1.8 on Mechanical 4
-15.1,-2.3 to 0,0 on Mechanical 4
0,0 to -48.434,-1.8 on Mechanical 4
-5.192,-40.16 to 0,-60 on Mechanical 4
-5.192,-14.76 to 0,-60 on Mechanical 4
-30,-54.808 to 0,-60 on Mechanical 4
-29.492,-54.3 to 0,-60 on Mechanical 4
0,0 to 0,-60 on Mechanical 6
-57.65,-2.35 to -62.775,1.6 on Mechanical 6
-59,-57.65 to -60,-60 on Mechanical 6
-60,-60 to -57.65,-59 on Mechanical 6
-9.825,0 to 0,0 on Mechanical 6
-21.375,0 to 0,0 on Mechanical 6
-54.259,0 to 0,0 on Mechanical 6
-42.709,0 to 0,0 on Mechanical 6
-60,-60 to 0,-60 on Mechanical 6
0,0 to -26,-1.25 on Mechanical 12
0,0 to -33,-1.25 on Mechanical 12
0,0 to -38.6,-1.25 on Mechanical 12
0,0 to -41.6,-1.25 on Mechanical 12
-25.75,-1.5 to 0,0 on Mechanical 12
-41.85,-5.5 to -41.85,-7.5 on Mechanical 12

## Text inside footprints (layer, text, board x,y; h text height)
LABEL1: Bottom Overlay "PCBA LABEL" at -56.049,-38.189 h1.52 r270